# KiCad board d-lev-io-rounded.kicad_pcb (continued)
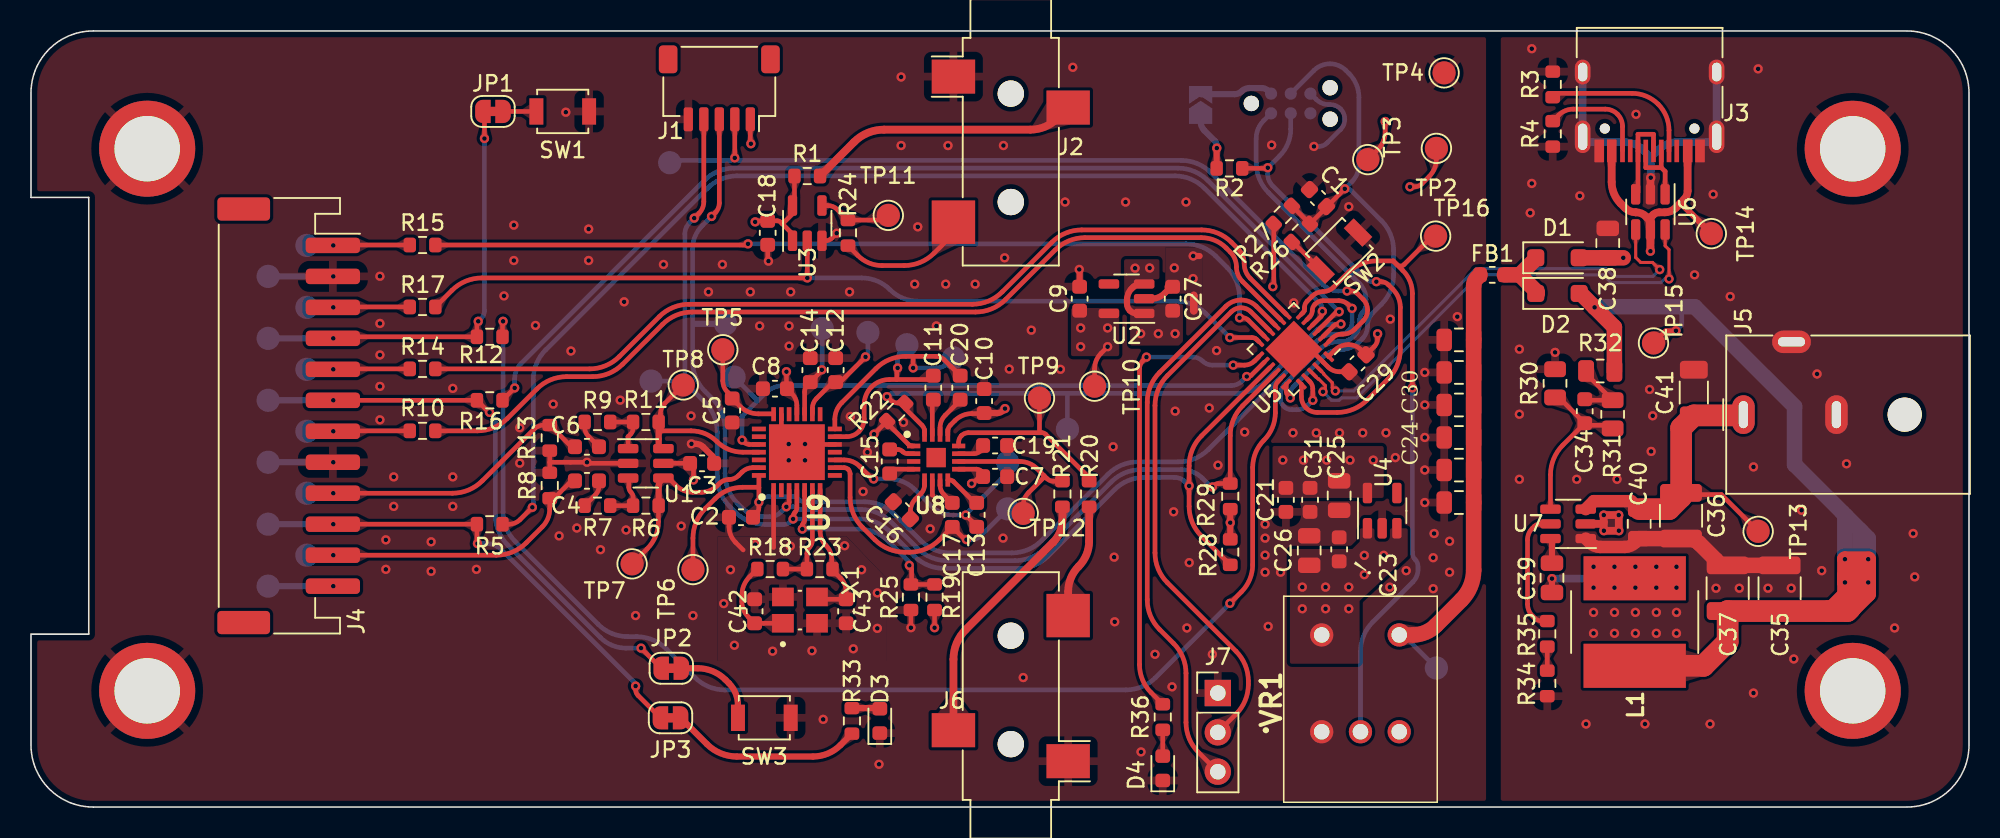
[diagram p0: board, top side]
## Routing (per net, layer and track width the routed paths; a pad name or vN(x,y) marks a point on that pad's centre or on a via; arc(x,y) is an arc through that point)
+3.3VA: length 20.2
  Top w0.3: C3.2 U1.5 ; v1(60.66,20.88) 60.7,20.88 arc(60.73,20.89) 60.75,20.91 61.41,21.56 61.28,21.69 arc(61.14,21.78) 60.98,21.81 U8.9 ; TP10.1 68.6,28.28 arc(68.7,28.83) 69.02,29.3 v1(69.44,29.72) ; v1(58.28,11.58) R19.1 ; v1(42.73,21.12) 42.73,21.97 ; v1(54.37,24.07) 55.21,24.92 ; U9.18 49.4,25.92 arc(49.31,26.34) 49.08,26.69 C8.2 ; 61.41,25.4 60.69,25.4 arc(60.09,25.28) 59.59,24.95 59.3,24.66 arc(59.17,24.47) 59.13,24.25 U8.13 ; v1(48.72,28.11) 48.72,27.04 ; U8.1 56.81,23.31 arc(56.7,23.33) 56.61,23.4 55.21,24.79
  Top w0.4: C10.1 62.33,25.44 arc(62.51,25.47) 62.67,25.58 v1(62.82,25.72)
  vias: v1(67.7,30.93) v1(67.7,29.72) v1(69.44,30.93)
+3V3: length 31.6
  Top w0.3: v1(88.94,40.04) 89.22,40.04 arc(89.49,40.1) 89.72,40.25 90.17,40.7 arc(90.52,41.23) 90.64,41.85 TP2.1 ; v1(86.85,30.55) 86.85,30.25 arc(86.8,29.97) 86.64,29.73 86.43,29.52 arc(86.1,29.39) 85.78,29.52 arc(85.42,29.77) 84.99,29.85 84.95,29.85 arc(84.48,29.76) 84.09,29.49 83.71,29.12 arc(83.7,29.1) 83.7,29.09 U5.24 ; R27.1 80.15,33.7 arc(80.15,33.66) 80.12,33.63 v1(80.09,33.6)
  Top w0.4: R2.1 76.47,42.53 arc(76.47,42.54) 76.47,42.54 v1(76.48,42.55) ; R28.2 v1(77.35,18.36) R29.2
  In2.Cu w0.3: VR1.3 88.87,5.48 arc(89.33,6.18) 89.49,6.99 89.49,18.5
  Bottom w0.4: JP4.1 75.44,44.26 arc(75.5,43.94) 75.68,43.67 76.36,42.99 arc(76.45,42.86) 76.48,42.71 v1(76.48,42.55)
  vias: v1(80.74,22.4) v1(82.07,22.4) v1(83.57,22.4) v1(85.07,22.4) v1(86.57,22.4)
+12V: length 21.6
  Top w0.3: 106.55,20.17 109.02,20.17 TP13.1
  Top w0.8: C40.1 103.21,19.75 100.79,19.75 U7.3
  Top w1.4: C40.1 105.64,19.23 106.42,20.01 C36.1 106.43,20.29 106.43,24.47 C41.1 110.4,25.28 J5.1
GND: length 79.2
  Top w0.3: 33.46,22.26 v1(35.86,22.26) 35.89,22.22 arc(35.93,22.2) 35.98,22.19 U1.2 ; 33.46,22.26 R13.2 ; 33.46,22.26 R8.2 ; 47.9,16.76 U9.1 ; C18.1 47.51,35.33 arc(47.52,35.3) 47.54,35.27 v1(47.56,35.25) ; 82.51,29.56 U5.23 83.65,28.41 arc(84,28.18) 84.4,28.1 C29.1 ; 58.14,20.14 58.14,20.14 arc(58.13,20.15) 58.13,20.16 U8.6 ; v1(56.75,11.58) R25.1 ; U9.12 49.9,23.41 ; U3.3 51.25,36.56 arc(51.46,36.6) 51.64,36.72 v1(51.96,37.05) ; C2.1 45.02,18.11 arc(45.13,17.56) 45.44,17.09 45.93,16.6 ; U9.20 48.4,23.91
  Top w0.4: U2.2 72.28,32.82 arc(72.73,32.91) 73.11,33.16 73.51,33.56 ; C3.1 44.06,22.37 arc(44.02,22.53) 43.93,22.67 43.35,23.25 arc(43.13,23.4) 42.88,23.45 v1(42.6,23.45) ; 75.37,35.57 74.97,35.57 ; v1(67.61,34.71) 67.62,34.7 arc(67.63,34.68) 67.63,34.67 C9.1
  Top w0.5: v1(104.47,40.64) 104.46,40.62 arc(104.45,40.61) 104.45,40.6 U6.2
  Top w0.8: C40.2 103.46,17.06 arc(103.16,16.86) 102.81,16.79 101.2,16.79 arc(100.84,16.86) 100.55,17.06 U7.1 ; C27.1 73.59,33.6 arc(73.54,33.59) 73.51,33.56
  Top w1: C40.2 106.85,17.33 arc(107.25,17.25) 107.6,17.02 108.68,15.94 arc(108.74,15.84) 108.77,15.73 108.77,15.6 ; C35.2 C37.2
  In1.Cu w1.4: 95.54,34.36 93.04,34.36
  Bottom w0.3: J8.5 82.89,45.69 arc(83.26,45.44) 83.7,45.35 83.79,45.35 arc(84.15,45.28) 84.46,45.08 arc(84.66,44.77) 84.73,44.41 arc(84.66,44.05) 84.46,43.74 83.59,42.87 arc(83.34,42.71) 83.05,42.65 v1(82.74,42.65)
  Bottom w0.4: v1(19.5,34.26) TP35.1 ; v1(19.5,22.26) TP36.1
  Bottom w0.5: 104.47,41.93 103.97,42.43 arc(103.42,42.8) 102.76,42.93 100.66,42.93 arc(100.44,42.97) 100.25,43.1 arc(100.12,43.29) 100.08,43.52 J3.S1 ; 104.47,41.93 v1(104.47,40.64) ; 104.47,41.93 104.97,42.43 arc(105.52,42.8) 106.17,42.93 108.13,42.93 arc(108.35,42.97) 108.54,43.1 arc(108.67,43.29) 108.72,43.52 J3.S1
  vias: v1(22.5,34.27) v1(22.5,31.22) v1(22.5,29.19) v1(22.5,27.16) v1(22.5,25) v1(22.89,17.25) v1(22.89,15.35) v1(23.39,21.31) v1(23.39,19.41) v1(25.81,17.12) v1(25.81,15.22) v1(27.2,27.03) v1(27.2,21.31) v1(27.2,19.41) v1(28.73,15.35) v1(30.51,33) v1(31.14,37.57) v1(31.14,35.28) v1(31.52,24.49) v1(31.52,22.2) v1(32.54,31.09) v1(33.68,26.01) v1(34.06,17.5) v1(34.49,44.86) v1(34.82,29.44) v1(35.2,18.01) v1(35.97,37.32) v1(35.97,35.28) v1(36.73,16.62) v1(38,26.27) v1(38.25,32.62) v1(38.38,17.89) v1(38.99,12.36) v1(40.79,35.03) v1(41.94,18.14) v1(42.57,25.25) v1(42.69,12.36) v1(43.69,33.26) v1(44.59,35.03) v1(44.68,13.14) v1(45.11,15.32) v1(45.36,10.44) v1(46.39,33.26) v1(46.71,16.95) v1(46.99,31.06) v1(47.83,10.06) v1(48.89,31.06) v1(48.89,29.76) v1(48.87,23.43) v1(48.87,22.38) v1(48.99,33.26) v1(48.97,16.84) v1(49.92,23.43) v1(49.92,22.38) v1(50.37,10.09) v1(51.09,5.66) v1(52.48,16.87) v1(52.79,33.26) v1(52.85,25.21) v1(53.04,10.22) v1(53.57,15.32) v1(53.67,20.37) v1(53.95,22.91) v1(54.58,13.82) v1(54.58,11.54) v1(54.69,2.76) v1(56.12,47.13) v1(56.12,42.71) v1(56.27,24.83) v1(56.99,33.76) v1(57.19,37.46) v1(57.99,17.96) v1(58.39,31.06) v1(58.99,33.76) v1(59.14,42.71) v1(60.89,33.76) v1(62.69,17.36) v1(62.72,42.71) v1(62.79,35.46) v1(63.09,28.27) v1(63.99,8.36) v1(64.52,30.79) v1(66.39,28.26) v1(66.69,39.06) v1(67.19,47.76) v1(69.79,23.26) v1(69.86,16.13) v1(69.89,11.96) v1(70.59,39.06) v1(71.59,3.56) v1(72.49,9.86) v1(73.59,7.76) v1(73.69,19.06) v1(73.74,34.81) v1(73.79,25.56) v1(74.49,39.06) v1(74.55,11.56) v1(74.7,15.78) v1(74.96,35.58) v1(74.95,34.12) v1(75.99,25.76) v1(76.19,9.86) v1(76.47,29.47) v1(76.56,22.07) v1(78.28,24.21) v1(79.59,18.26) v1(79.59,17.36) v1(79.59,16.26) v1(79.59,15.16) v1(79.79,11.66) v1(80.02,42.74) v1(80.59,15.16) v1(81.39,24.16) v1(81.44,32.55) v1(82.89,24.16) v1(84.39,24.16) v1(84.99,38.76) v1(85.89,24.16) v1(87.39,24.16) v1(87.67,31.5) v1(87.64,14.2) v1(87.99,22.56) v1(88.69,15.26) v1(89.89,28.06) v1(89.89,25.96) v1(89.89,23.86) v1(89.89,21.76) v1(89.89,19.66) v1(90.49,17.66) v1(90.44,16.1) v1(90.44,14.1) v1(91.49,17.16) v1(91.49,15.16) v1(91.99,31.66) v1(95.99,29.56) v1(95.99,25.36) v1(95.99,21.16) v1(96.69,38.36) v1(96.79,48.96) v1(96.79,40.26) v1(98.3,29.35) v1(99.69,21.16) v1(99.89,39.46) v1(100.29,5.36) v1(100.78,12.57) v1(100.78,11.22) v1(102.13,12.57) v1(102.13,11.22) v1(102.29,21.16) v1(103.48,12.57) v1(103.48,11.22) v1(103.52,44.72) v1(104.09,5.36) v1(104.39,26.96) v1(104.49,22.96) v1(104.59,25.26) v1(104.83,12.57) v1(104.83,11.22) v1(106.13,12.57) v1(106.13,11.22) v1(107.29,34.36) v1(108.29,5.36) v1(108.49,39.56) v1(108.68,14.13) v1(109.59,32.96) v1(110.18,14.13) v1(111.09,21.96) v1(111.09,7.36) v1(111.39,47.66) v1(112.03,14.13) v1(113.53,14.13) v1(113.69,9.56) v1(114.19,19.16) v1(115.19,27.96) v1(115.49,15.26) v1(117.09,22.16) v1(120.19,11.56) v1(121.39,17.66) v1(121.49,14.86)
VBUS: length 21.9
  Top w0.4: TP14.1 106.42,38.97 arc(106.41,38.98) 106.4,38.98 106.38,38.98
  Top w0.5: U6.5 104.45,37.82 arc(104.49,38.04) 104.61,38.23 arc(104.8,38.35) 105.02,38.4 105.38,38.4 arc(105.76,38.47) 106.09,38.69 106.61,39.22 arc(106.78,39.47) 106.85,39.78 J3.A4 ; U6.5 104.45,37.57 arc(104.39,37.82) 104.25,38.04 104.17,38.12 arc(103.86,38.33) 103.5,38.4 103.5,38.4 arc(103.13,38.47) 102.81,38.68 102.52,38.97 arc(102.09,39.61) 101.95,40.36 J3.A9 ; U6.5 v1(104.45,35.88)
  Top w1: v1(102.7,35.46) C38.2 D1.2
  In2.Cu w1: v1(104.45,35.88) 103.42,35.88 arc(103.14,35.83) 102.91,35.67 v1(102.7,35.46)
VDD: length 18.3
  Top w0.3: v1(46.7,37.78) 46.74,37.81 arc(46.78,37.84) 46.82,37.85 C18.2 48.12,37.85 arc(48.25,37.82) 48.36,37.75 48.46,37.65 ; 48.46,37.65 49.11,37 ; 48.46,37.65 49.24,38.42 R1.1 ; J1.1 46.39,42.89 arc(46.4,42.86) 46.41,42.84 v1(46.43,42.82) ; v1(87.34,44.26) 87.34,43.59 arc(87.22,42.97) 86.86,42.45 TP3.1
  Top w0.4: 71.8,33.77 71.54,33.77 arc(71.3,33.72) 71.1,33.59 70.99,33.47 arc(70.77,33.14) 70.69,32.75 70.69,32.5 arc(70.74,32.26) 70.87,32.05 arc(71.08,31.92) 71.32,31.87 71.8,31.87
  Bottom w0.4: v1(19.5,14.26) TP32.1
  vias: v1(71.21,34.79) v1(71.57,30.56) v1(72.15,34.8) v1(72.71,30.56) v1(73.79,30.56) v1(81.99,14.2) v1(81.99,12.8) v1(83.49,14.2) v1(83.49,12.8) v1(84.99,14.2) v1(84.99,12.8) v1(85.99,16.25) v1(85.99,15) v1(87.24,16.25)
/Buck/VOUT: length 81.7
  Top w0.3: TP15.1 105.44,30.75 v1(106.09,30.75)
  Top w1: v1(118.49,14.5) v1(118.49,16) v1(116.99,16) ; v1(118.49,14.5) 118.49,13.75 117.54,12.8 117.29,12.8 116.99,13.1 116.99,13.7 ; v1(118.49,14.5) v1(116.99,14.5) 116.99,15 ; v1(118.49,14.5) v1(116.99,16) ; 115.94,12.65 116.99,13.7 116.99,13.7 ; R32.1 102.12,30.98 v1(100.85,32.26) 99.95,33.16 ; v1(116.99,16) 116.99,15 ; 116.99,15 116.99,13.7
  Top w1.4: 117.49,14 117.29,13.8 117.29,12.8 117.15,12.65 C37.1 109.43,10.67 107.87,9.12 L1.2
  Bottom w0.3: 106.47,32.3 106.47,31.12 v1(106.09,30.75)
  Bottom w1: v1(116.99,16) 117.99,16 ; v1(116.99,16) v1(116.99,14.5) ; v1(116.99,16) 116.99,18.73 117.05,18.79 ; 117.99,16 v1(118.49,16) ; 117.99,16 117.99,17.85 ; 117.99,17.85 118.49,17.35 v1(118.49,16) ; 117.99,17.85 117.05,18.79 ; v1(116.99,14.5) v1(118.49,16) ; v1(116.99,14.5) v1(118.49,14.5) v1(118.49,16) ; 117.05,18.79 113.74,22.1 113.74,25.86 107.31,32.3 100.89,32.3 v1(100.85,32.26)
/DAC/DAC.XI: length 9.2
  Top w0.3: 51.64,15.41 51.64,15.99 arc(51.55,16.48) 51.27,16.89 arc(50.99,17.31) 50.9,17.8 50.9,20.46 ; 51.7,15.29 52.22,14.77 arc(52.48,14.38) 52.57,13.91 C43.1 50.85,13.41
/DAC/DAC.XO: length 6.7
  Top w0.3: U9.6 50.4,17.21 arc(50.35,16.98) 50.22,16.79 arc(50.09,16.6) 50.05,16.37 R23.2 R18.2
/DAC/DAC_1V2: length 6.3
  Top w0.3: 45.22,26.49 44.92,26.79 arc(44.7,27.13) 44.62,27.52 TP5.1 ; C5.1 45.72,25.88 arc(46.27,25.51) 46.91,25.38 47.85,25.38 arc(47.87,25.38) 47.88,25.37 47.9,25.36
/DAC/DAC_GPIO: length 39.9
  Top w0.3: U9.24 46.34,23.41 arc(46.16,23.45) 46,23.55 v1(45.86,23.69) ; v1(78.41,27.8) 78.51,27.8 arc(78.61,27.82) 78.7,27.87 U5.14
  Bottom w0.3: TP26.1 46.83,26.28 arc(46.84,26.26) 46.85,26.23 46.85,26.21 ; 46.85,26.21 45.85,25.22 arc(45.85,25.21) 45.85,25.2 arc(45.86,25.19) 45.86,25.18 v1(45.86,23.69) ; 46.85,26.21 47.35,26.71 arc(47.9,27.08) 48.55,27.21 77.41,27.21 arc(77.79,27.29) 78.12,27.5 v1(78.41,27.8)
/DAC/DAC_RESET: length 61.1
  Top w0.3: U5.5 82.47,31.65 arc(82.59,31.83) 82.64,32.05 arc(82.68,32.26) 82.8,32.45 82.84,32.49 arc(83.07,32.64) 83.33,32.69 84.35,32.69 arc(84.68,32.63) 84.95,32.44 v1(85.2,32.19) ; 46.95,20.62 46.95,19.36 arc(46.9,19.11) 46.76,18.9 C2.2 ; 46.95,20.62 46.95,21.41 ; 46.95,20.62 46.93,20.63 arc(46.92,20.64) 46.9,20.65 45.89,20.65 arc(44.94,20.46) 44.13,19.92 43.49,19.28 arc(42.9,18.4) 42.69,17.35 TP6.1
  Bottom w0.3: v1(46.95,19.68) 47.12,19.86 arc(47.31,19.99) 47.54,20.03 49.11,20.03 arc(49.32,19.99) 49.5,19.87 arc(49.69,19.75) 49.9,19.71 53.75,19.71 arc(54.79,19.5) 55.67,18.91 57.38,17.2 arc(58.26,16.61) 59.31,16.4 63.26,16.4 arc(64.3,16.61) 65.18,17.2 69.47,21.49 arc(70.35,22.08) 71.39,22.28 74.01,22.28 arc(75.05,22.49) 75.93,23.08 82.9,30.05 arc(83.44,30.41) 84.07,30.53 84.44,30.53 arc(84.73,30.59) 84.98,30.76 arc(85.14,31.01) 85.2,31.3 v1(85.2,32.19)
/DAC/HPA_SHDN: length 38.3
  Top w0.3: 56.38,25.73 57.46,24.65 arc(57.59,24.47) 57.63,24.25 U8.16 ; v1(84.49,31.18) 84.31,31.18 arc(84.14,31.15) 84,31.06 U5.2 ; v1(55.21,26.5) 55.41,26.29 arc(55.64,26.14) 55.91,26.09 R22.1
  Bottom w0.3: v1(84.49,31.18) 83.91,31.18 arc(83.37,31.08) 82.92,30.78 79.65,27.51 arc(78.77,26.92) 77.73,26.71 66.85,26.71 ; v1(55.21,26.5) 55.31,26.6 arc(55.43,26.68) 55.57,26.71 66.85,26.71 ; 66.85,26.71 TP21.1
/DAC/IN_BAL.L+: length 2.2
  Top w0.3: 58.13,26.23 U8.15
/DAC/IN_BAL.L-: length 2.7
  Top w0.3: U8.14 58.63,24.49 arc(58.72,24.93) 58.97,25.3 59.93,26.26
/DAC/IN_BAL.R+: length 1.8
  Top w0.3: U8.7 58.63,20.77 arc(58.69,20.45) 58.87,20.18 C17.2
/DAC/IN_BAL.R-: length 2.3
  Top w0.3: 60.87,19.64 59.49,21.02 arc(59.39,21.09) 59.26,21.11 U8.8
/DAC/OUT_BAL.L+: length 11.1
  Top w0.3: 51.85,23.91 52.59,23.91 arc(53.03,24) 53.4,24.25 arc(53.65,24.62) 53.74,25.05 53.74,25.98 arc(53.86,26.6) 54.21,27.12 arc(54.74,27.48) 55.36,27.6 57.95,27.6 ; v1(55.89,28.35) 55.87,28.32 arc(55.85,28.3) 55.84,28.26 55.84,27.6
  Bottom w0.3: TP19.1 56.19,29.55 arc(55.97,29.22) 55.89,28.83 v1(55.89,28.35)
/DAC/OUT_BAL.L-: length 14.6
  Top w0.3: U9.14 51.85,25.03 arc(51.96,25.61) 52.29,26.1 54.49,28.3 arc(55.37,28.89) 56.41,29.1 58.35,29.1 arc(58.65,29.04) 58.9,28.87 C20.1 ; v1(56.89,28.35) 56.89,29.1
  Bottom w0.3: v1(56.89,28.35) 58.38,28.35 arc(58.81,28.43) 59.17,28.67 TP20.1
/DAC/OUT_BAL.R+: length 16.5
  Top w0.3: v1(60.33,17.27) 60.29,17.27 arc(60.24,17.27) 60.21,17.3 C17.1 58.58,17.25 arc(57.7,16.66) 56.66,16.45 56.36,16.45 arc(55.32,16.66) 54.43,17.25 53.62,18.06 arc(53.04,18.94) 52.83,19.98 52.83,21.51 arc(52.8,21.66) 52.71,21.79 arc(52.58,21.88) 52.43,21.91 U9.9
  Bottom w0.3: v1(60.33,17.27) 60.67,17.27 arc(60.98,17.33) 61.25,17.5 TP18.1
/DAC/OUT_BAL.R-: length 15.2
  Top w0.3: v1(54.35,21.18) 54.31,21.18 arc(54.27,21.19) 54.24,21.21 53.46,21.99 arc(52.99,22.3) 52.44,22.41 U9.10 ; v1(60.29,18.85) 60.99,18.14
  Bottom w0.3: TP17.1 62.99,21.92 arc(62.93,21.62) 62.76,21.37 60.3,18.91 arc(60.29,18.89) 60.29,18.87 v1(60.29,18.85) 59.47,18.85 arc(58.72,19) 58.08,19.43 57.02,20.49 arc(56.25,21) 55.34,21.18 54.35,21.18 arc(54.35,21.18) 54.35,21.18 v1(54.35,21.18)
/DAC/OUT_SE_L: length 12.4
  Top w0.3: 65.05,24.17 65.05,24.17 arc(65.04,24.17) 65.04,24.18 TP9.1 ; 65.05,24.17 60.46,24.17 arc(60.22,24.12) 60.02,23.98 60,23.97 arc(59.87,23.78) 59.83,23.55 U8.12 ; 65.05,24.17 65.19,24.17 arc(65.33,24.14) 65.44,24.06 68.25,21.26
/DAC/OUT_SE_R: length 10.1
  Top w0.3: TP12.1 63.99,19.45 arc(64.08,19.91) 64.34,20.3 65.3,21.26 arc(65.33,21.3) 65.34,21.34 65.34,21.39 ; R21.2 65.95,21.03 arc(65.71,21.08) 65.52,21.21 65.34,21.39 ; 65.34,21.39 64.88,21.85 arc(64.37,22.19) 63.77,22.31 U8.10
/DAC/SCL: length 73.7
  Top w0.3: v1(48.72,19.38) 48.81,19.47 arc(48.87,19.57) 48.9,19.69 U9.3 ; J1.3 44.39,38.99 arc(44.33,38.66) 44.14,38.38 v1(43.89,38.13) ; U5.16 78.14,25.9 arc(77.55,25.02) 77.35,23.98 R29.1 76.58,20.88 arc(76.43,20.86) 76.31,20.77 v1(76.19,20.66)
  Bottom w0.3: v1(76.19,20.66) 76.16,20.66 arc(76.12,20.67) 76.1,20.69 75.56,21.22 arc(74.94,21.64) 74.2,21.78 71.6,21.78 arc(70.56,21.58) 69.67,20.99 65.39,16.7 arc(64.51,16.11) 63.46,15.9 59.1,15.9 arc(58.06,16.11) 57.17,16.7 55.47,18.41 arc(54.58,19) 53.54,19.21 49.59,19.21 arc(49.47,19.23) 49.37,19.3 arc(49.27,19.36) 49.16,19.38 v1(48.72,19.38) 48.4,19.06 arc(48.04,18.83) 47.62,18.74 47.25,18.74 arc(46.49,18.89) 45.85,19.32 45.56,19.62 arc(44.97,20.5) 44.76,21.54 44.76,24.42 arc(44.55,25.46) 43.96,26.34 43.47,26.84 arc(42.88,27.72) 42.67,28.76 42.67,36.05 arc(42.83,36.84) 43.28,37.52 v1(43.89,38.13)
  Bottom w0.4: 42.76,31.2 TP25.1
/DAC/SDA: length 80
  Top w0.3: v1(49.15,18.6) 49.15,18.75 arc(49.18,18.89) 49.26,19.01 49.27,19.02 arc(49.36,19.16) 49.4,19.32 U9.4 ; v1(42.77,38.02) 43.08,38.33 arc(43.31,38.68) 43.39,39.08 J1.4 ; R28.1 75.49,17.49 arc(74.9,18.37) 74.69,19.41 v1(74.69,20.73) 74.69,22.03 arc(74.9,23.08) 75.49,23.96 U5.15
  Bottom w0.3: 42.17,27.75 42.17,27.59 arc(42.2,27.44) 42.29,27.31 43.46,26.14 arc(44.05,25.25) 44.26,24.21 44.26,21.33 arc(44.47,20.29) 45.06,19.41 45.43,19.04 arc(46.31,18.45) 47.35,18.24 48.55,18.24 arc(48.78,18.29) 48.97,18.42 v1(49.15,18.6) 53.45,18.6 arc(54.49,18.39) 55.37,17.8 56.97,16.2 arc(57.85,15.61) 58.89,15.4 63.67,15.4 arc(64.71,15.61) 65.59,16.2 69.88,20.49 arc(70.76,21.08) 71.81,21.28 73.75,21.28 arc(74.11,21.21) 74.42,21.01 v1(74.69,20.73) ; 42.17,27.75 42.17,27.62 arc(42.14,27.54) 42.05,27.5 TP24.1 ; 42.17,27.75 42.17,37 arc(42.25,37.39) 42.47,37.72 v1(42.77,38.02)
/DAC/SPDIF1: length 12.9
  Top w0.3: U9.25 45.9,22.91 arc(45,23.09) 44.23,23.6 arc(43.47,24.11) 42.57,24.29 40.74,24.29 arc(40.56,24.21) 40.48,24.03 40.48,23.76 ; 40.48,23.44 R11.2 ; 40.59,24.97 40.59,25.37 arc(40.67,25.74) 40.88,26.06 TP8.1
  Top w0.4: 40.48,23.44 R11.2
/DAC/SPDIF2: length 13.2
  Top w0.3: U1.4 40.95,21.24 arc(41.11,21.21) 41.24,21.12 41.58,20.78 arc(42.09,20.44) 42.68,20.32 43.25,20.32 arc(43.78,20.43) 44.24,20.73 44.39,20.89 arc(44.68,21.08) 45.01,21.15 arc(45.35,21.21) 45.64,21.4 45.86,21.63 arc(46.18,21.84) 46.55,21.91 U9.27 ; 40.47,19.45 40.47,18.42 arc(40.28,17.48) 39.75,16.68 TP7.1
  Top w0.4: U1.4 40.63,21.09 arc(40.52,20.92) 40.48,20.72 R6.2
/SAMD11/CV_EN: length 54.9
  Top w0.3: U5.1 83.94,30.29 arc(84.21,30.47) 84.53,30.53 84.63,30.53 arc(85.03,30.62) 85.37,30.84 85.92,31.39 arc(86.13,31.71) 86.21,32.08 arc(86.13,32.46) 85.92,32.78 85.56,33.14 arc(85.36,33.27) 85.13,33.32 v1(84.88,33.32) ; v1(45.39,41.91) 45.39,44.4
  Bottom w0.3: v1(84.88,33.32) 84.31,33.32 arc(83.78,33.42) 83.34,33.72 76.1,40.95 arc(75.22,41.54) 74.18,41.75 45.66,41.75 arc(45.56,41.77) 45.47,41.83 v1(45.39,41.91) 45.31,41.83 arc(45.22,41.77) 45.12,41.75 41.34,41.75
/SAMD11/JTAG.SWCLK: length 31.3
  Top w0.3: v1(79.77,41.27) 79.75,41.25 arc(79.73,41.24) 79.7,41.23 R2.2 ; v1(86.77,33.92) 87.06,33.92 arc(87.32,33.87) 87.55,33.72 87.83,33.43 arc(88.19,32.9) 88.32,32.26 88.32,29.55 arc(88.11,28.51) 87.52,27.63 86.17,26.27 arc(85.28,25.68) 84.24,25.48 82.96,25.48 arc(82.57,25.55) 82.23,25.78 arc(82.01,26.11) 81.93,26.51 U5.19
  Bottom w0.3: v1(86.77,33.92) 86.52,33.92 arc(86.29,33.97) 86.09,34.1 80.07,40.12 arc(79.85,40.45) 79.77,40.85 v1(79.77,41.27) 80.53,42.04 arc(81.06,42.83) 81.25,43.77 J8.4
/SAMD11/JTAG.SWDIO: length 28.5
  Top w0.3: v1(82.67,26.26) 82.67,27 arc(82.62,27.25) 82.48,27.47 U5.20
  Bottom w0.3: v1(82.67,26.26) 82.37,25.95 arc(82.03,25.73) 81.63,25.65 81.33,25.65 arc(81.04,25.71) 80.79,25.87 arc(80.63,26.12) 80.57,26.41 80.57,26.55 arc(80.65,26.98) 80.89,27.34 83.11,29.55 arc(83.65,29.91) 84.28,30.03 84.44,30.03 arc(84.92,30.13) 85.33,30.41 85.35,30.42 arc(85.61,30.81) 85.7,31.27 85.7,31.49 arc(85.75,31.75) 85.9,31.98 arc(86.05,32.2) 86.11,32.46 86.11,32.78 arc(86,33.33) 85.68,33.8 79.82,39.67 arc(79.23,40.55) 79.02,41.59 79.02,43.15 arc(79.14,43.78) 79.5,44.31 J8.2
/SAMD11/PTC_X2Y8: length 37.5
  Top w0.3: J7.3 75.29,3.54 arc(74.7,4.42) 74.49,5.46 74.49,8.63 arc(74.29,9.67) 73.7,10.56 72.79,11.46 arc(72.2,12.35) 71.99,13.39 71.99,26.13 arc(72.2,27.17) 72.79,28.06 77.06,32.33 arc(77.51,32.63) 78.05,32.73 arc(78.58,32.63) 79.03,32.33 U5.9
/SAMD11/PTC_X3Y9: length 35.2
  Top w0.3: U5.10 78.68,31.97 arc(78.39,32.17) 78.05,32.23 arc(77.7,32.17) 77.41,31.97 73.29,27.85 arc(72.7,26.97) 72.49,25.93 72.49,16.41 arc(72.7,15.37) 73.29,14.49 77.72,10.06 arc(78.31,9.17) 78.52,8.13 78.52,7.92 arc(78.31,6.88) 77.72,5.99 J7.2
/SAMD11/STATUS_LED: length 30.7
  Top w0.3: v1(71.94,29.05) 71.72,28.82 arc(71.55,28.58) 71.49,28.28 71.49,9.2 arc(71.69,8.22) 72.24,7.38 R36.2 ; v1(77.54,28.53) 78.26,28.53 arc(78.62,28.6) 78.92,28.8 U5.13
  Bottom w0.3: v1(77.54,28.53) 76.19,28.53 arc(75.85,28.6) 75.56,28.79 arc(75.28,28.98) 74.94,29.05 v1(71.94,29.05)
/SAMD11/USB.DN: length 31.1
  Top w0.2: v1(83.33,26.81) 83.48,26.96 83.48,27.21 83.05,27.64 83.01,27.64 82.64,28.01 ; U6.6 105.4,36.23 105.65,35.98 v1(105.65,34.1)
  Bottom w0.2: v1(83.33,26.81) 83.73,26.41 83.73,26.41 83.88,26.26 84.37,26.26 84.52,26.41 85.49,26.41 93.44,34.36 101.4,34.36 101.9,33.86 105.13,33.86 105.36,34.1 v1(105.65,34.1)
/SAMD11/USB.DP: length 30.2
  Top w0.2: U6.4 103.5,35.48 103.82,35.16 104.58,35.16 v1(105.05,34.7) ; v1(84.13,26.86) 83.93,27.06 83.93,27.4 83.37,27.96 83.37,27.99 U5.22
  Bottom w0.2: v1(84.13,26.86) 85.31,26.86 92.65,34.21 92.65,34.21 93.2,34.76 101.57,34.76 102.07,34.26 104.61,34.26 v1(105.05,34.7)
/SAMD11/VOLUME_POT: length 43.3
  Top w0.3: 87.86,35.26 86.78,35.26 arc(85.79,35.06) 84.94,34.5 84,33.56 arc(83.69,33.35) 83.32,33.27 arc(82.95,33.2) 82.64,32.99 82.3,32.65 arc(82.18,32.47) 82.14,32.25 82.14,32.16 arc(82.11,32.03) 82.03,31.92 U5.6 ; 87.86,35.26 88.48,34.64 arc(88.93,33.96) 89.09,33.15 v1(89.09,27.06) ; 87.86,35.26 88.09,35.03 arc(88.33,34.93) 88.56,35.03 90.32,36.79 arc(90.4,36.84) 90.49,36.86 TP16.1
  Bottom w0.3: v1(89.09,27.06) 89.09,16.42 arc(89.14,16.18) 89.27,15.98 arc(89.41,15.78) 89.46,15.54 89.46,15.33 arc(89.37,14.9) 89.12,14.53 86.54,11.95 arc(85.95,11.07) 85.75,10.03 VR1.2
/SAMD11/~{RST}: length 36.4
  Top w0.3: v1(84.73,39.92) 83.55,38.74 ; U5.18 80.96,26.85 arc(80.99,26.68) 81.09,26.54 v1(81.22,26.41) ; R27.2 R26.1 83.55,38.72
  Bottom w0.3: J8.3 82.75,47.56 arc(83.22,47.87) 83.78,47.98 arc(84.33,47.87) 84.8,47.56 85.01,47.35 arc(85.48,46.65) 85.65,45.82 85.65,41.48 arc(85.53,40.88) 85.19,40.37 v1(84.73,39.92) 84.89,39.92 arc(85.03,39.89) 85.15,39.81 87.09,37.87 arc(87.68,36.98) 87.88,35.94 87.88,34.37 arc(87.68,33.33) 87.09,32.45 86.56,31.92 arc(86.29,31.53) 86.2,31.07 arc(86.11,30.61) 85.85,30.22 85.65,30.01 arc(85.12,29.66) 84.49,29.53 arc(83.87,29.41) 83.34,29.06 81.41,27.12 arc(81.27,26.91) 81.22,26.67 v1(81.22,26.41)
/UINN: length 5
  Top w0.3: 105.15,41.28 104.15,41.28 J3.A7 ; 105.15,41.28 J3.B7 ; 105.15,41.28 105.4,41.03 U6.1
/UINP: length 5.8
  Top w0.3: J3.A6 104.65,43.43 103.65,43.43 J3.B6 103.65,39.71
acal_btn: length 28
  Top w0.3: 19.57,30.36 R12.2 28.76,31.22 arc(28.77,31.27) 28.8,31.32 v1(28.85,31.36) ; v1(29.25,43.16) 29.25,44.81
  Bottom w0.3: v1(28.85,31.36) 29.05,31.56 arc(29.19,31.78) 29.25,32.04 v1(29.25,43.16)
  Bottom w0.4: v1(19.5,30.26) TP34.1
midi_from_fpga_3v: length 57.5
  Top w0.3: v1(77.32,30.31) 78.74,30.31 arc(78.91,30.28) 79.06,30.18 U5.12 ; R17.2 27.15,33.36 arc(28.04,33.95) 29.08,34.16 v1(50.07,34.16) 50.07,35.73 arc(50.07,35.74) 50.07,35.74 arc(50.06,35.74) 50.06,35.74 U3.2
  Bottom w0.3: v1(77.32,30.31) 75.77,31.86 arc(74.88,32.45) 73.84,32.66 57.21,32.66 arc(56.23,32.85) 55.4,33.41 arc(54.56,33.97) 53.58,34.16 v1(50.07,34.16)
midi_to_fpga_3v: length 57.1
  Top w0.3: U5.11 78.51,31.44 arc(78.34,31.55) 78.15,31.58 v1(77.95,31.58) ; v1(46.25,36.36) 46.21,36.32 arc(46.17,36.3) 46.12,36.29 R15.2
  Bottom w0.3: v1(77.95,31.58) 77.95,32.91 arc(77.74,33.95) 77.15,34.83 76.42,35.56 arc(75.53,36.15) 74.49,36.36 v1(46.25,36.36)
mute_btn: length 35.6
  Top w0.3: v1(39.35,10.26) JP2.1 ; 20.5,26.26 R16.2 29.53,25.49 arc(29.54,25.48) 29.56,25.48 v1(29.58,25.48)
  Bottom w0.3: v1(29.58,25.48) 29.76,25.29 arc(29.9,25.09) 29.95,24.85 29.95,18.85 arc(30.15,17.81) 30.74,16.92 36.72,10.95 arc(37.48,10.44) 38.38,10.26 v1(39.35,10.26)
  Bottom w0.4: v1(19.5,26.26) TP30.1
mute_led: length 31.5
  Top w0.3: v1(28.8,17.01) 28.78,17.03 arc(28.76,17.05) 28.76,17.07 R5.2 J4.10 ; v1(39,7.81) 39,7.58 arc(39.04,7.38) 39.15,7.2 JP3.1
  Bottom w0.3: v1(39,7.81) 39,7.88 arc(38.98,7.95) 38.94,8.01 30.35,16.6 arc(29.9,16.9) 29.37,17.01 v1(28.8,17.01)
  Bottom w0.4: v1(19.5,18.26) TP29.1
spdif_line: length 19.3
  Top w0.3: 34.86,23.26 33.72,24.39 arc(33.43,24.59) 33.08,24.66 arc(32.73,24.59) 32.44,24.39 29.1,21.06 arc(28.22,20.47) 27.18,20.26 v1(19.5,20.26)
  Bottom w0.4: v1(19.5,20.26) TP27.1
spdif_mon: length 19.4
  Top w0.3: v1(19.5,16.26) 30.02,16.26 arc(31.06,16.47) 31.94,17.06 32.98,18.09 arc(33.33,18.62) 33.46,19.25 R8.1 ; 33.73,19.93 34.86,21.06
  Bottom w0.4: v1(19.5,16.26) TP33.1
SWITCH_LOW: length 29.2
  Top w1: 88.25,11.11 89.12,11.11 arc(89.93,11.27) 90.61,11.73 92.25,13.36 arc(92.84,14.25) 93.05,15.29 C24.2 C30.2 93.05,33.66 arc(93.1,33.93) 93.25,34.15 FB1.2
  Bottom w0.3: TP39.1 88.51,11.11
uart_rx_3v: length 61.6
  Top w0.3: U5.8 78.14,33.93 arc(77.85,34.36) 77.75,34.88 arc(77.64,35.39) 77.35,35.83 77.08,36.1 arc(76.35,36.59) 75.48,36.76 67.98,36.76 arc(66.93,36.55) 66.05,35.96 62.85,32.76 arc(61.96,32.17) 60.92,31.96 42.65,31.96 arc(41.61,31.75) 40.73,31.16 38.15,28.58 arc(37.27,27.99) 36.23,27.79 34.55,27.79 arc(33.51,27.58) 32.62,26.99 30.72,25.08 arc(29.84,24.49) 28.79,24.29 R10.2
uart_tx_3v: length 60.8
  Top w0.3: R14.2 36.02,28.29 arc(37.06,28.49) 37.94,29.08 40.52,31.66 arc(41.4,32.25) 42.45,32.46 60.71,32.46 arc(61.76,32.67) 62.64,33.26 65.84,36.46 arc(66.73,37.05) 67.77,37.26 75.5,37.26 arc(76.54,37.05) 77.42,36.46 77.85,36.04 arc(78.14,35.6) 78.25,35.08 arc(78.35,34.57) 78.64,34.13 U5.7
Net-(C4-Pad1): length 1.9
  Top w0.3: C4.1 36.63,20.72 arc(36.57,20.41) 36.39,20.15 R7.2
Net-(C6-Pad1): length 1.9
  Top w0.3: C6.1 35.95,23.95 arc(35.77,24.21) 35.71,24.52 R9.2
Net-(C34-Pad1): length 4.2
  Top w0.3: 100.27,26.27 R31.1 100.3,27.98
Net-(C42-Pad1): length 5.9
  Top w0.3: R18.1 46.35,14.86 arc(45.98,14.31) 45.85,13.66 45.85,13.27 arc(45.95,12.73) 46.26,12.28 arc(46.71,11.97) 47.25,11.86 X1.1
Net-(D1-K): length 4.2
  Top w1: 96.02,34.36 FB1.1 ; 96.02,34.36 97.12,33.26 arc(97.14,33.23) 97.15,33.2 97.15,33.16 ; 96.02,34.36 97.03,35.37 arc(97.05,35.4) 97.05,35.43 D1.1
Net-(D3-A): length 1.8
  Top w0.4: R33.1 54.71,6.38
Net-(D4-A): length 1.7
  Top w0.3: R36.1 D4.2
Net-(J2-PadR): length 17.6
  Top w0.5: J2.R 66.18,44.45 arc(65.39,43.92) 64.46,43.73 55.01,43.73 arc(53.97,43.53) 53.09,42.94 R1.2
Net-(J2-PadT): length 7.9
  Top w0.3: R24.2 53.33,35.6 arc(54.05,35.13) 54.89,34.96 56.32,34.96 arc(57.36,35.17) 58.24,35.76 59.44,36.95
Net-(J3-CC1): length 9.9
  Top w0.3: 98.4,46.08 103.25,46.08 arc(104.17,45.9) 104.94,45.38 arc(105.46,44.6) 105.65,43.69 J3.A5
Net-(J3-CC2): length 7
  Top w0.3: R4.2 98.53,44.67 arc(98.96,44.96) 99.47,45.06 101.54,45.06 arc(101.96,44.98) 102.32,44.73 arc(102.56,44.38) 102.65,43.95 J3.B5
Net-(J4-Pin_1): length 6.7
  Top w0.3: R15.1 19.46,36.29
  Bottom w0.4: v1(19.5,36.26) TP37.1
Net-(J4-Pin_3): length 6.7
  Top w0.3: R17.1 19.46,32.29
  Bottom w0.4: v1(19.5,32.26) TP28.1
Net-(J4-Pin_5): length 6.7
  Top w0.3: R14.1 19.46,28.29
  Bottom w0.4: v1(19.5,28.26) TP31.1
Net-(J4-Pin_7): length 6.7
  Top w0.3: R10.1 19.46,24.29
  Bottom w0.4: v1(19.5,24.26) TP38.1
Net-(J6-PadR): length 17.1
  Top w0.5: J6.R 59.49,9.53 arc(59.7,10.57) 60.29,11.46 65.92,17.09 arc(66.36,17.75) 66.52,18.54 R21.1
Net-(J6-PadT): length 7.4
  Top w0.5: 66.89,12.36 66.89,13.9 arc(67.07,14.79) 67.57,15.54 arc(68.07,16.28) 68.25,17.17 R20.1
Net-(J8-Pin_1): length 4.8
  Bottom w0.4: JP4.2 75.45,46.04 arc(75.47,46.03) 75.48,46.02 77.62,46.02 arc(77.88,46.08) 78.1,46.22 arc(78.32,46.37) 78.58,46.42 79.36,46.42 arc(79.6,46.37) 79.8,46.24 J8.1
Net-(JP1-B): length 2.2
  Top w0.3: SW1.2 JP1.2
Net-(JP2-B): length 5.7
  Top w0.4: JP2.2 43,8.96 arc(43.97,8.77) 44.79,8.22 45.01,7.99 arc(45.44,7.35) 45.6,6.58 SW3.2
Net-(JP3-B): length 12.5
  Top w0.4: JP3.2 43.6,4.06 arc(44.48,3.47) 45.52,3.26 50.43,3.26 arc(51.39,3.45) 52.21,4 R33.2
Net-(R6-Pad1): length 3.3
  Top w0.3: R7.1 R6.1 38.83,19.99 arc(38.8,20.17) 38.69,20.32 arc(38.59,20.47) 38.56,20.65 38.56,21.19
Net-(R11-Pad1): length 3.3
  Top w0.3: R9.1 R11.1 38.83,24.46 arc(38.79,24.25) 38.67,24.07 38.51,23.91 arc(38.51,23.91) 38.51,23.91 arc(38.51,23.9) 38.51,23.9 U1.1
Net-(R24-Pad1): length 4.3
  Top w0.3: 54.99,37.9 R24.1 52.01,38.57 arc(51.72,38.77) 51.38,38.84 U3.4
Net-(R26-Pad2): length 2.5
  Top w0.3: 81.38,36.49 SW2.2
Net-(R34-Pad1): length 1.6
  Top w0.3: R34.1 R35.2
Net-(U5-PA04): length 66.3
  Top w0.3: v1(84.37,31.98) 84.29,31.98 arc(84.22,31.96) 84.16,31.92 U5.3 ; v1(31.2,27.06) 30.41,26.28
  Bottom w0.3: v1(31.2,27.06) 31.2,27.64 arc(31.3,28.18) 31.61,28.63 43.42,40.45 arc(44.31,41.04) 45.35,41.25 73.97,41.25 arc(75.01,41.04) 75.9,40.45 v1(84.37,31.98)
Net-(U5-PA05): length 72.2
  Top w0.3: R5.1 30.83,18.26 arc(31.21,18.34) 31.54,18.56 v1(32.34,19.35) ; U5.4 83.2,31.66 arc(83.26,31.76) 83.29,31.88 v1(83.29,32.01)
  Bottom w0.3: v1(32.34,19.35) 32.37,19.38 arc(32.39,19.41) 32.4,19.45 32.4,27.59 arc(32.6,28.63) 33.19,29.51 43.63,39.95 arc(44.51,40.54) 45.56,40.75 73.76,40.75 arc(74.81,40.54) 75.69,39.95 83.16,32.48 arc(83.25,32.34) 83.29,32.18 v1(83.29,32.01)
Net-(U5-PA27): length 82.9
  Top w0.3: R12.1 30.41,31.3 arc(30.41,31.32) 30.43,31.34 v1(30.45,31.36) ; v1(77.33,13.15) 78.06,13.88 arc(78.6,14.7) 78.79,15.66 78.79,21.93 arc(78.98,22.88) 79.52,23.69 arc(80.06,24.5) 80.25,25.46 80.25,27.06 arc(80.3,27.29) 80.43,27.48 U5.17
  Bottom w0.3: v1(77.33,13.15) 72.53,8.36 arc(71.65,7.77) 70.61,7.56 44.75,7.56 arc(43.71,7.77) 42.83,8.36 40.98,10.2 arc(40.1,10.79) 39.06,11 38.5,11 arc(37.46,11.21) 36.58,11.8 31.24,17.13 arc(30.65,18.01) 30.45,19.05 v1(30.45,31.36)
Net-(U7-BOOT): length 1.5
  Top w0.4: C39.1 98.1,17.24
Net-(U7-EN): length 8.3
  Top w0.3: R35.1 97.48,12.01 arc(97.19,12.06) 96.95,12.23 96.84,12.33 arc(96.6,12.69) 96.52,13.11 96.52,17.26 arc(96.6,17.65) 96.82,17.98 96.96,18.12 arc(97.14,18.24) 97.35,18.28 97.58,18.28
  Top w0.4: U7.5 97.46,18.28
Net-(U7-FB): length 10.2
  Top w0.3: U7.4 98,21.44 arc(98.21,22.48) 98.8,23.37 C34.2 98.55,26.44 ; 101.81,24.64 100.35,24.64
Net-(U7-SW): length 8.5
  Top w0.4: v1(98.1,14.75) C39.2
  Top w0.5: U7.2 101.27,18.28 arc(101.33,18.29) 101.39,18.33 101.44,18.38 ; 101.44,18.38 v1(101.44,18.85) v1(102.4,18.85) 102.4,17.86 arc(102.4,17.85) 102.41,17.84 v1(102.41,17.84) v1(101.44,17.84) ; 101.44,18.38 101.44,17.84 arc(101.44,17.84) 101.44,17.83 101.44,17.83
  Bottom w0.5: v1(98.1,14.75) 100.31,14.75 arc(100.39,14.76) 100.45,14.81 100.51,14.86
  vias: v1(100.78,15.51) v1(100.78,14.16) v1(102.13,15.51) v1(102.13,14.16) v1(103.48,15.51) v1(103.48,14.16) v1(104.83,15.51) v1(104.83,14.16) v1(106.13,15.51) v1(106.13,14.16)
Net-(U8-BIAS): length 1.7
  Top w0.3: 61.41,23.16 61.23,22.99 arc(61.04,22.86) 60.81,22.81 U8.11
Net-(U8-C1N): length 1.4
  Top w0.3: U8.4 55.74,21.81 arc(55.66,21.8) 55.59,21.75 55.53,21.69
Net-(U8-C1P): length 1.6
  Top w0.3: U8.2 56.55,22.81 arc(56.37,22.85) 56.22,22.95 arc(56.07,23.05) 55.89,23.09 C15.1
Net-(U8-PVSS): length 2.8
  Top w0.3: U8.5 57.63,20.79 arc(57.57,20.5) 57.4,20.25 57.05,19.89 arc(56.8,19.52) 56.72,19.09 C16.2
Net-(U9-ADDR): length 13.2
  Top w0.3: v1(49.75,17.95) 49.75,18.17 arc(49.77,18.26) 49.82,18.35 arc(49.88,18.43) 49.9,18.53 U9.5 ; v1(56.65,15.6) 56.72,15.53 arc(56.77,15.45) 56.79,15.35 56.79,14.41 ; R25.2 R19.2
  Bottom w0.3: v1(49.75,17.95) 53.39,17.95 arc(54.43,17.74) 55.31,17.15 56.57,15.89 arc(56.63,15.81) 56.65,15.71 v1(56.65,15.6)
